# KiCad board HALTEST.kicad_pcb (continued)
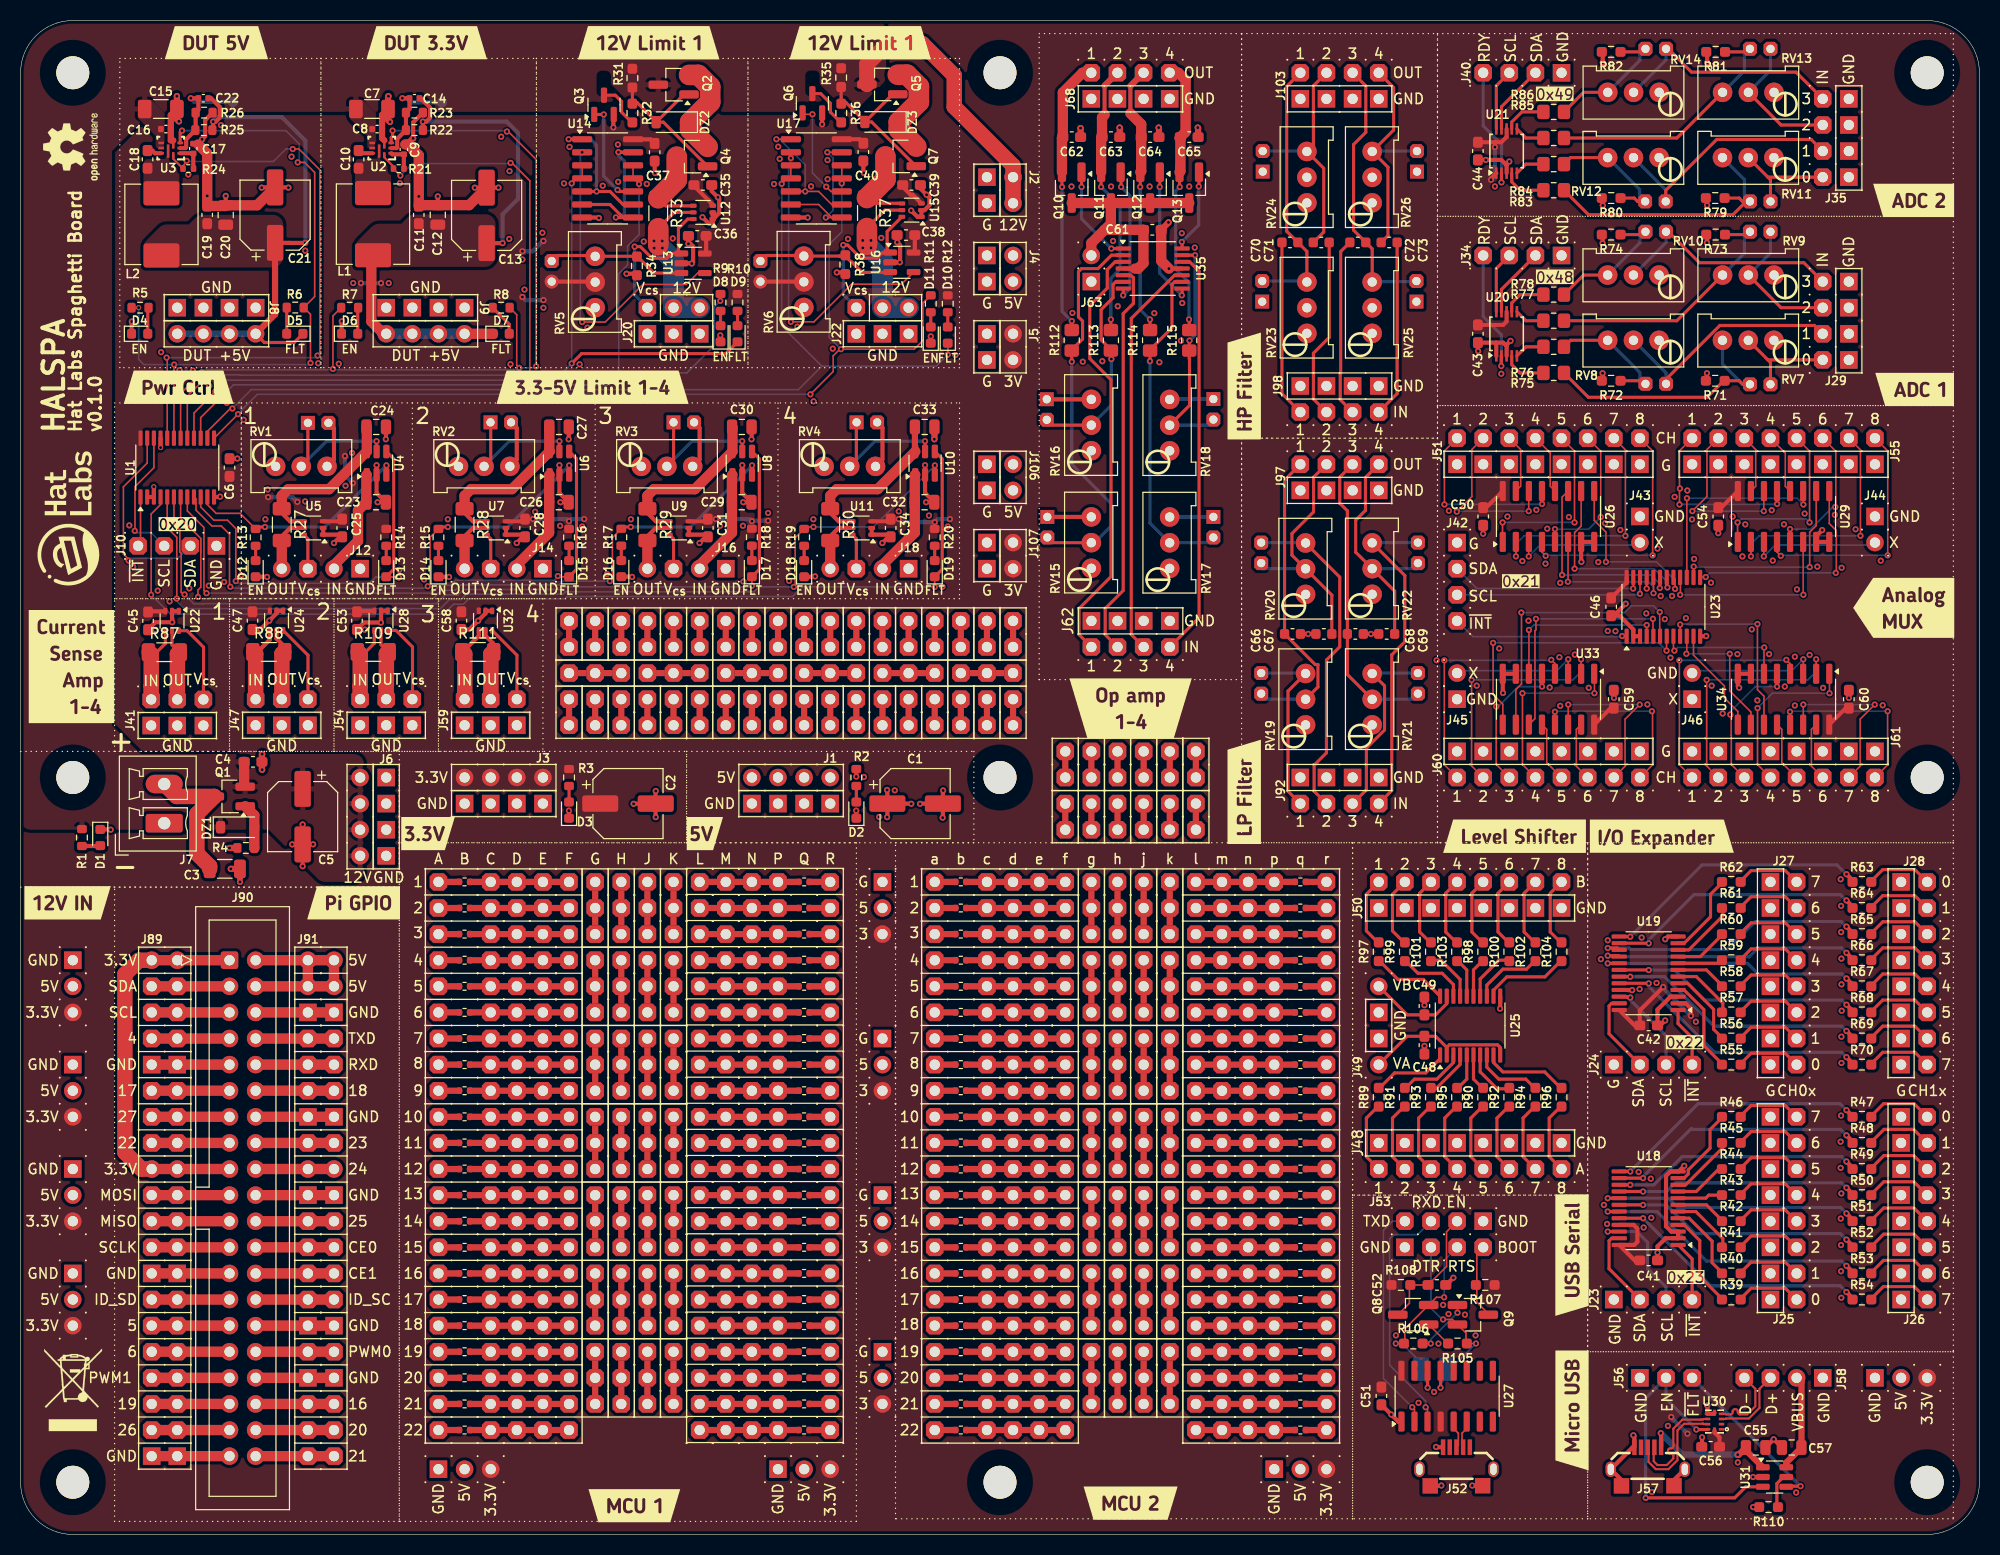
[diagram p0: board, top side]
## Library data of the parts (continued)
Q10-Q13 = -: Description: NPN transistor, base/emitter/collector; LCSC: C2150
R1 = -: LCSC: C22809; ki_fp_filters: R_*
R2 = -: LCSC: C23186; ki_fp_filters: R_*
R3 R5 R7 R9 R11 R13 R15 R17 R19 = -: LCSC: C22843; ki_fp_filters: R_*
R4 = -: Description: Resistor, small symbol; LCSC: C25803; ki_fp_filters: R_*
R6 R8 R10 R12 R14 R16 R18 R20 = -: LCSC: C22975; ki_fp_filters: R_*
R21 R24 = -: Description: Resistor; LCSC: C25741; ki_fp_filters: R_*
R22 = -: Description: Resistor; LCSC: C25803; ki_fp_filters: R_*
R23 = -: Description: Resistor; LCSC: C31850; ki_fp_filters: R_*
R25 = -: Description: Resistor; LCSC: C22961; ki_fp_filters: R_*
R26 = -: Description: Resistor; LCSC: C22984; ki_fp_filters: R_*
R27-R30 R33 R37 R87 R88 R109 R111 = -: Description: Resistor; LCSC: C105362; ki_fp_filters: R_*
R31 R35 = -: Description: Resistor, small symbol; LCSC: C4184; ki_fp_filters: R_*
R32 R36 = -: Description: Resistor, small symbol; LCSC: C23162; ki_fp_filters: R_*
R34 R38 R71-R74 R79-R82 = -: Description: Resistor; LCSC: C25804; ki_fp_filters: R_*
R39-R70 R89-R104 = -: Description: Resistor; LCSC: C21190; ki_fp_filters: R_*
R75-R78 R83-R86 = -: Description: Resistor; LCSC: C17513; ki_fp_filters: R_*
R105-R108 = -: LCSC: C25804; ki_fp_filters: R_*
R110 = -: Description: Resistor, small symbol; LCSC: C23184; ki_fp_filters: R_*
R112-R115 = -: Description: Resistor; LCSC: C17539; ki_fp_filters: R_*
R116-R203 = -: Description: Resistor, small symbol; LCSC: C11702; ki_fp_filters: R_*
RV1-RV4 RV15-RV18 = -: Description: Trim-potentiometer; THT_LCSC: C118942; ki_fp_filters: Potentiometer*
RV5-RV14 RV19-RV26 = -: Description: Trim-potentiometer; THT_LCSC: C118963; ki_fp_filters: Potentiometer*
TP1 TP2 = -: Description: test point; ki_fp_filters: Pin* Test*
U1 U18 U19 U23 = -: Datasheet: https://www.lcsc.com/datasheet/lcsc_datasheet_2410010333_UMW-Youtai-Semiconductor-Co---Ltd--TCA9535PWR-UMW_C22396388.pdf; Description: 16-bit I/O expander, I2C and SMBus interface, interrupts, w/o pull-ups, TSSOP-24 package; LCSC: C22396388; JLCPCB_CORRECTION: 0;0;270; ki_fp_filters: TSSOP*4.4x7.8mm*P0.65mm*
U2 U3 = -: Datasheet: https://www.ti.com/lit/ds/symlink/tps566238.pdf; LCSC: C2876603; ki_fp_filters: RQF0009A
U4 U6 U8 U10 U31 = -: Datasheet: https://jlcpcb.com/api/file/downloadByFileSystemAccessId/8560085854287642624; Description: 3V~5.5V 65mΩ 2.1A 1 SOT-26 Power Distribution Switches ROHS; LCSC: C1511768; JLCPCB_CORRECTION: 0;0;180
U5 U7 U9 U11 U12 U15 U22 U24 U28 U32 = -: Datasheet: http://www.ti.com/lit/ds/symlink/ina199.pdf; Description: INA199 26-V, Bidirectional, Zero-Drift, Low- or High-Side, Voltage-Output, Current-Shunt Monitor, SOT-363, SC-70; LCSC: C59135; JLCPCB_CORRECTION: 0;0;180; ki_fp_filters: *SC?70*
U13 U16 = -: Datasheet: http://www.ti.com/lit/ds/symlink/lmv324.pdf; Description: Low-Voltage Rail-to-Rail Output Operational Amplifiers, SOT-23-5/SC-70-5; LCSC: C362273; JLCPCB_CORRECTION: 0;0;180; ki_fp_filters: SOT?23* *SC*70*
U14 U17 = -: Datasheet: http://www.ti.com/lit/gpn/sn74hc02; Description: quad 2-input NOR gate; LCSC: C5145448; JLCPCB_CORRECTION: 0;0;270; ki_fp_filters: SO14* DIP*W7.62mm*
U20 U21 = -: Datasheet: http://www.ti.com/lit/ds/symlink/ads1113.pdf; Description: Ultra-Small, Low-Power, I2C-Compatible, 860-SPS, 16-Bit ADCs With Internal Reference, Oscillator, and Programmable Comparator, VSSOP-10; LCSC: C37593; JLCPCB_CORRECTION: 0;0;270; ki_fp_filters: TSSOP*3x3mm*P0.5mm*
U25 = -: Datasheet: www.ti.com/lit/ds/symlink/txs0108e.pdf; Description: Bidirectional  level-shifting voltage translator, TSSOP-20; LCSC: C17206; JLCPCB_CORRECTION: 0;0;270; ki_fp_filters: *SSOP*4.4x6.5mm*P0.65mm*
U26 U29 U33 U34 = -: Datasheet: http://www.ti.com/lit/ds/symlink/cd4052b.pdf; Description: CMOS single 8-channel analog multiplexer demultiplexer, TSSOP-16/DIP-16/SOIC-16; LCSC: C21379; JLCPCB_CORRECTION: 0;0;270; ki_fp_filters: TSSOP*4.4x5mm*P0.65mm* DIP*W7.62* SOIC*3.9x9.9mm*P1.27mm* SO*5.3x10.2mm*P1.27mm*
U27 = -: Datasheet: https://www.lcsc.com/datasheet/lcsc_datasheet_2406191656_WCH-Jiangsu-Qin-Heng-CH340C_C84681.pdf; Description: USB serial converter, crystal-less, UART, SOIC-16; LCSC: C84681; JLCPCB_CORRECTION: 0;0;270; ki_fp_filters: SOIC*3.9x9.9mm*P1.27mm*
U30 = -: LCSC: C882807
U35 = -: Datasheet: http://www.ti.com/lit/ds/symlink/lm358.pdf; Description: Dual Operational Amplifiers, DIP-8/SOIC-8/TSSOP-8/VSSOP-8; LCSC: C468244; JLCPCB_CORRECTION: 0;0;270; ki_fp_filters: SOIC*3.9x4.9mm*P1.27mm* DIP*W7.62mm* TO*99* OnSemi*Micro8* TSSOP*3x3mm*P0.65mm* TSSOP*4.4x3mm*P0.65mm* MSOP*3x3mm*P0.65mm* SSOP*3.9x4.9mm*P0.635mm* LFCSP*2x2mm*P0.5mm* *SIP* SOIC*5.3x6.2mm*P1.27mm*

## Footprints (pads in the part's own frame, mm; a bottom-side part is the same pattern mirrored in y, then rotated)
C_0402_1005Metric
  rrect 0.56x0.62 smd: 1(-0.48,0) 2(0.48,0)
C_0603_1608Metric
  rrect 0.9x0.95 smd: 1(-0.775,0) 2(0.775,0)
C_0603_1608Metric_Pad1.08x0.95mm_HandSolder
  rrect 1.075x0.95 smd: 1(-0.863,0) 2(0.863,0)
C_0805_2012Metric
  rrect 1x1.45 smd: 1(-0.95,0) 2(0.95,0)
C_1206_3216Metric
  rrect 1.15x1.8 smd: 1(-1.475,0) 2(1.475,0)
C_1206_3216Metric_Pad1.33x1.80mm_HandSolder
  rrect 1.325x1.8 smd: 1(-1.562,0) 2(1.562,0)
CP_Elec_6.3x7.7
  rrect 3.5x1.6 smd: 1(-2.7,0) 2(2.7,0)
D_SOD-123
  rrect 0.9x1.2 smd: 1(-1.65,0) 2(1.65,0)
IDC-Header_2x20_P2.54mm_Vertical
  rrect 1.7x1.7 hole 1: 1(0,0)
  round 1.7 hole 1: 2(2.54,0) 3(0,-2.54) 4(2.54,-2.54) 5(0,-5.08) 6(2.54,-5.08) 7(0,-7.62) 8(2.54,-7.62) 9(0,-10.16) 10(2.54,-10.16) 11(0,-12.7) 12(2.54,-12.7) 13(0,-15.24) 14(2.54,-15.24) 15(0,-17.78) 16(2.54,-17.78) 17(0,-20.32) 18(2.54,-20.32) 19(0,-22.86) 20(2.54,-22.86) 21(0,-25.4) 22(2.54,-25.4) 23(0,-27.94) 24(2.54,-27.94) 25(0,-30.48) 26(2.54,-30.48) 27(0,-33.02) 28(2.54,-33.02) 29(0,-35.56) 30(2.54,-35.56) 31(0,-38.1) 32(2.54,-38.1) 33(0,-40.64) 34(2.54,-40.64) 35(0,-43.18) 36(2.54,-43.18) 37(0,-45.72) 38(2.54,-45.72) 39(0,-48.26) 40(2.54,-48.26)
L_Chilisin_BMRx00060630
  rrect 2.35x3.5 smd: 1(-3.025,0) 2(3.025,0)
LED_0603_1608Metric
  rrect 0.875x0.95 smd: 1(-0.787,0) 2(0.787,0)
MICRO-USB-SMD_MICRO-21-P2-T3
  rect 0.43x1.51 smd: 1(-1.3,-1.88) 2(-0.65,-1.88) 3(0,-1.88) 4(0.65,-1.88) 5(1.3,-1.88)
  oval 1x1.5 hole 0.61x1.1: 6(-3.6,0.26) 6(3.6,0.26)
  rect 1.5x1.5 smd: 6(-2.55,1.87) 6(2.55,1.88)
MountingHole_3.2mm_M3_NoFill
  round 3.2 hole 3.2 unplated: (0,0)
Pad_1x02_P2.00_1.35x1.35_Oct
  rrect 1.35x1.35 hole 0.8: 1(0,0) 2(0,-2)
Pad_1x02_P2.00_1.35x1.35_Rect-Oct
  rect 1.35x1.35 hole 0.8: 1(0,0)
  rrect 1.35x1.35 hole 0.8: 2(0,-2)
Pad_1x02_P2.00_1.35x1.35_Rnd-Oct
  round 1.35 hole 0.8: 1(0,0)
  rrect 1.35x1.35 hole 0.8: 2(0,-2)
Pad_1x02_P2.54_1.7x1.7_Oct_Connected
  rrect 1.7x1.7 hole 1: 1(0,0) 1(0,-2.54)
  rect 0.6x1 smd: 1(0,-1.27)
Pad_1x02_P2.54_1.7x1.7_Rect-Rnd
  rect 1.7x1.7 hole 1: 1(0,0)
  round 1.7 hole 1: 2(0,-2.54)
Pad_1x03_P2.54_1.7x1.7_Oct_Connected
  rrect 1.7x1.7 hole 1: 1(0,0) 1(0,-2.54) 1(0,-5.08)
  rect 0.6x0.85 smd: 1(0,-1.27) 1(0,-3.8)
Pad_1x03_P2.54_1.7x1.7_Rect-2Oct
  rect 1.7x1.7 hole 1: 1(0,0)
  rrect 1.7x1.7 hole 1: 2(0,-2.54) 3(0,-5.08)
Pad_1x03_P2.54_1.7x1.7_Rect-2Rnd
  rect 1.7x1.7 hole 1: 1(0,0)
  round 1.7 hole 1: 2(0,-2.54) 3(0,-5.08)
Pad_1x04_P2.54_1.7x1.7_Rect-Oct
  rect 1.7x1.7 hole 1: 1(0,0)
  rrect 1.7x1.7 hole 1: 2(0,-2.54) 3(0,-5.08) 4(0,-7.62)
Pad_1x04_P2.54_1.7x1.7_Rect-Rnd-Oct-Oct
  rect 1.7x1.7 hole 1: 1(0,0)
  round 1.7 hole 1: 2(0,-2.54)
  rrect 1.7x1.7 hole 1: 3(0,-5.08) 4(0,-7.62)
Pad_1x04_P2.54_1.7x1.7_Rect-Rnd-Oct-Rnd
  rect 1.7x1.7 hole 1: 1(0,0)
  round 1.7 hole 1: 2(0,-2.54) 4(0,-7.62)
  rrect 1.7x1.7 hole 1: 3(0,-5.08)
Pad_1x04_P2.54_1.7x1.7_Rect-Rnd-Rnd-Rect
  round 1.7 hole 1: 1(0,0) 4(0,-7.62)
  rect 1.7x1.7 hole 1: 2(0,-2.54) 3(0,-5.08)
Pad_1x22_P2.54_1.7x1.7_Oct
  rrect 1.7x1.7 hole 1: 1(0,0) 2(0,-2.54) 3(0,-5.08) 4(0,-7.62) 5(0,-10.16) 6(0,-12.7) 7(0,-15.24) 8(0,-17.78) 9(0,-20.32) 10(0,-22.86) 11(0,-25.4) 12(0,-27.94) 13(0,-30.48) 14(0,-33.02) 15(0,-35.56) 16(0,-38.1) 17(0,-40.64) 18(0,-43.18) 19(0,-45.72) 20(0,-48.26) 21(0,-50.8) 22(0,-53.34)
Pad_2x02_P2.54_1.7x1.7_Rect-Rnd
  rect 1.7x1.7 hole 1: 1(0,0) 3(0,-2.54)
  round 1.7 hole 1: 2(2.54,0) 4(2.54,-2.54)
Pad_2x03_P2.54_1.7x1.7_Rect-1Oct-2Rnd
  rect 1.7x1.7 hole 1: 1(0,0) 3(0,-2.54) 5(0,-5.08)
  rrect 1.7x1.7 hole 1: 2(2.54,0)
  round 1.7 hole 1: 4(2.54,-2.54) 6(2.54,-5.08)
Pad_2x03_P2.54_1.7x1.7_Rect-Oct
  rect 1.7x1.7 hole 1: 1(0,0) 3(0,-2.54) 5(0,-5.08)
  rrect 1.7x1.7 hole 1: 2(2.54,0) 4(2.54,-2.54) 6(2.54,-5.08)
Pad_2x04_P2.54_1.7x1.7_Rect-Oct
  rect 1.7x1.7 hole 1: 1(0,0) 3(0,-2.54) 5(0,-5.08) 7(0,-7.62)
  rrect 1.7x1.7 hole 1: 2(2.54,0) 4(2.54,-2.54) 6(2.54,-5.08) 8(2.54,-7.62)
Pad_2x04_P2.54_1.7x1.7_Rect-Oct-Rect
  rect 1.7x1.7 hole 1: 1(0,0) 8(2.54,-7.62)
  rrect 1.7x1.7 hole 1: 2(2.54,0) 3(0,-2.54) 4(2.54,-2.54) 5(0,-5.08) 6(2.54,-5.08) 7(0,-7.62)
Pad_2x04_P2.54_1.7x1.7_Rect-Rnd
  rect 1.7x1.7 hole 1: 1(0,0) 3(0,-2.54) 5(0,-5.08) 7(0,-7.62)
  round 1.7 hole 1: 2(2.54,0) 4(2.54,-2.54) 6(2.54,-5.08) 8(2.54,-7.62)
Pad_2x08_P2.54_1.7x1.7_Rect-Oct
  rect 1.7x1.7 hole 1: 1(0,0) 3(0,-2.54) 5(0,-5.08) 7(0,-7.62) 9(0,-10.16) 11(0,-12.7) 13(0,-15.24) 15(0,-17.78)
  rrect 1.7x1.7 hole 1: 2(2.54,0) 4(2.54,-2.54) 6(2.54,-5.08) 8(2.54,-7.62) 10(2.54,-10.16) 12(2.54,-12.7) 14(2.54,-15.24) 16(2.54,-17.78)
Pad_2x20_P2.54_1.7x1.7_RPi_GPIO_Even
  round 1.7 hole 1: 2(0,0) 2(2.54,0) 4(0,-2.54) 4(2.54,-2.54) 18(0,-20.32) 18(2.54,-20.32)
  rect 1.7x1.7 hole 1: 6(0,-5.08) 6(2.54,-5.08) 14(0,-15.24) 14(2.54,-15.24) 20(0,-22.86) 20(2.54,-22.86) 30(0,-35.56) 30(2.54,-35.56) 34(0,-40.64) 34(2.54,-40.64)
  rrect 1.7x1.7 hole 1: 8(0,-7.62) 8(2.54,-7.62) 10(0,-10.16) 10(2.54,-10.16) 12(0,-12.7) 12(2.54,-12.7) 16(0,-17.78) 16(2.54,-17.78) 22(0,-25.4) 22(2.54,-25.4) 24(0,-27.94) 24(2.54,-27.94) 26(0,-30.48) 26(2.54,-30.48) 28(0,-33.02) 28(2.54,-33.02) 32(0,-38.1) 32(2.54,-38.1) 36(0,-43.18) 36(2.54,-43.18) 38(0,-45.72) 38(2.54,-45.72) 40(0,-48.26) 40(2.54,-48.26)
Pad_2x20_P2.54_1.7x1.7_RPi_GPIO_Odd
  round 1.7 hole 1: 1(0,0) 1(2.49,0) 17(0,-20.32) 17(2.49,-20.32)
  rrect 1.7x1.7 hole 1: 3(0,-2.54) 3(2.49,-2.54) 5(0,-5.08) 5(2.49,-5.08) 7(0,-7.62) 7(2.49,-7.62) 11(0,-12.7) 11(2.49,-12.7) 13(0,-15.24) 13(2.49,-15.24) 15(0,-17.78) 15(2.49,-17.78) 19(0,-22.86) 19(2.49,-22.86) 21(0,-25.4) 21(2.49,-25.4) 23(0,-27.94) 23(2.49,-27.94) 27(0,-33.02) 27(2.49,-33.02) 29(0,-35.56) 29(2.49,-35.56) 31(0,-38.1) 31(2.49,-38.1) 33(0,-40.64) 33(2.49,-40.64) 35(0,-43.18) 35(2.49,-43.18) 37(0,-45.72) 37(2.49,-45.72)
  rect 1.7x1.7 hole 1: 9(0,-10.16) 9(2.49,-10.16) 25(0,-30.48) 25(2.49,-30.48) 39(0,-48.26) 39(2.49,-48.26)
PhoenixContact_MCV_1,5_2-G-3.81_1x02_P3.81mm_Vertical
  rrect 1.8x3.6 hole 1.2: 1(0,0)
  oval 1.8x3.6 hole 1.2: 2(3.81,0)
R_0402_1005Metric
  rrect 0.54x0.64 smd: 1(-0.51,0) 2(0.51,0)
R_0603_1608Metric
  rrect 0.8x0.95 smd: 1(-0.825,0) 2(0.825,0)
R_0603_1608Metric_Pad0.98x0.95mm_HandSolder
  rrect 0.975x0.95 smd: 1(-0.912,0) 2(0.912,0)
R_0805_2012Metric_Pad1.20x1.40mm_HandSolder
  rrect 1.2x1.4 smd: 1(-1,0) 2(1,0)
R_1206_3216Metric_Pad1.30x1.75mm_HandSolder
  rrect 1.3x1.75 smd: 1(-1.55,0) 2(1.55,0)
RES-ADJ-TH_3P-L9.5-W4.9-P2.50-L_3296W
  round 1.9 hole 0.9: 1(-2.5,0) 2(-0.01,0) 3(2.5,0)
RQF0009A
  rect 0.55x0.25 smd: 1(-0.925,0.5) 2(-0.925,0) 3(-0.925,-0.5) 5(0.925,-0.5) 6(0.925,0) 7(0.925,0.5)
  rect 0.25x1 smd: 4(-0.25,-0.45)
  rect 0.25x1.3 smd: 8(0.25,0.3)
  rect 0.25x0.55 smd: 9(-0.25,0.675)
SOIC-14_3.9x8.7mm_P1.27mm
  rrect 1.95x0.6 smd: 1(-2.475,3.81) 2(-2.475,2.54) 3(-2.475,1.27) 4(-2.475,0) 5(-2.475,-1.27) 6(-2.475,-2.54) 7(-2.475,-3.81) 8(2.475,-3.81) 9(2.475,-2.54) 10(2.475,-1.27) 11(2.475,0) 12(2.475,1.27) 13(2.475,2.54) 14(2.475,3.81)
SOIC-16_3.9x9.9mm_P1.27mm
  rrect 1.95x0.6 smd: 1(-2.475,4.445) 2(-2.475,3.175) 3(-2.475,1.905) 4(-2.475,0.635) 5(-2.475,-0.635) 6(-2.475,-1.905) 7(-2.475,-3.175) 8(-2.475,-4.445) 9(2.475,-4.445) 10(2.475,-3.175) 11(2.475,-1.905) 12(2.475,-0.635) 13(2.475,0.635) 14(2.475,1.905) 15(2.475,3.175) 16(2.475,4.445)
SolderJumper-2_P1.3mm_Bridged_Pad1.0x1.5mm
  rect 1x1.5 smd: 1(-0.65,0) 2(0.65,0)
SOT-23
  rrect 1.475x0.6 smd: 1(-0.938,0.95) 2(-0.938,-0.95) 3(0.938,0)
SOT-23-5
  rrect 1.325x0.6 smd: 1(-1.137,0.95) 2(-1.137,0) 3(-1.137,-0.95) 4(1.137,-0.95) 5(1.137,0.95)
SOT-23-6
  rrect 1.325x0.6 smd: 1(-1.137,0.95) 2(-1.137,0) 3(-1.137,-0.95) 4(1.137,-0.95) 5(1.137,0) 6(1.137,0.95)
SOT-23_Handsoldering
  rrect 1.9x0.8 smd: 1(-1.5,0.95) 2(-1.5,-0.95) 3(1.5,0)
SOT-363_SC-70-6
  rrect 0.65x0.4 smd: 1(-0.95,0.65) 2(-0.95,0) 3(-0.95,-0.65) 4(0.95,-0.65) 5(0.95,0) 6(0.95,0.65)
TestPoint_Pad_D1.0mm
  round 1 smd: 1(0,0)
TSSOP-10_3x3mm_P0.5mm
  rect 1.1x0.25 smd: 1(-2.15,1) 2(-2.15,0.5) 3(-2.15,0) 4(-2.15,-0.5) 5(-2.15,-1) 6(2.15,-1) 7(2.15,-0.5) 8(2.15,0) 9(2.15,0.5) 10(2.15,1)
TSSOP-14_4.4x5mm_P0.65mm
  rrect 1.475x0.4 smd: 1(-2.862,1.95) 2(-2.862,1.3) 3(-2.862,0.65) 4(-2.862,0) 5(-2.862,-0.65) 6(-2.862,-1.3) 7(-2.862,-1.95) 8(2.862,-1.95) 9(2.862,-1.3) 10(2.862,-0.65) 11(2.862,0) 12(2.862,0.65) 13(2.862,1.3) 14(2.862,1.95)
TSSOP-20_4.4x6.5mm_P0.65mm
  rrect 1.475x0.4 smd: 1(-2.862,2.925) 2(-2.862,2.275) 3(-2.862,1.625) 4(-2.862,0.975) 5(-2.862,0.325) 6(-2.862,-0.325) 7(-2.862,-0.975) 8(-2.862,-1.625) 9(-2.862,-2.275) 10(-2.862,-2.925) 11(2.862,-2.925) 12(2.862,-2.275) 13(2.862,-1.625) 14(2.862,-0.975) 15(2.862,-0.325) 16(2.862,0.325) 17(2.862,0.975) 18(2.862,1.625) 19(2.862,2.275) 20(2.862,2.925)
TSSOP-24_4.4x7.8mm_P0.65mm
  rrect 1.475x0.4 smd: 1(-2.862,3.575) 2(-2.862,2.925) 3(-2.862,2.275) 4(-2.862,1.625) 5(-2.862,0.975) 6(-2.862,0.325) 7(-2.862,-0.325) 8(-2.862,-0.975) 9(-2.862,-1.625) 10(-2.862,-2.275) 11(-2.862,-2.925) 12(-2.862,-3.575) 13(2.862,-3.575) 14(2.862,-2.925) 15(2.862,-2.275) 16(2.862,-1.625) 17(2.862,-0.975) 18(2.862,-0.325) 19(2.862,0.325) 20(2.862,0.975) 21(2.862,1.625) 22(2.862,2.275) 23(2.862,2.925) 24(2.862,3.575)
UQFN-10_L2.0-W1.5-P0.50-BL
  rect 0.25x0.52 smd: 1(-0.75,-0.68) 2(-0.25,-0.68) 3(0.25,-0.68) 4(0.75,-0.68) 6(0.75,0.68) 7(0.25,0.68) 8(-0.25,0.68) 9(-0.75,0.68)
  rect 0.58x0.3 smd: 5(0.86,0) 10(-0.86,0)

## Nets
+3.3V: C2.1 C6.1 C25.1 C28.1 C31.1 C34.1 C35.1 C36.1 C37.1 C38.1 C39.1 C40.1 C41.1 C42.1 C43.1 C44.1 C45.2 C46.1 C47.2 C50.1 C51.1 C53.2 C54.1 C56.2 C58.2 C59.1 C60.1 J3.2 J3.4 J3.6 J3.8 J5.2 J5.4 J19.1 J21.1 J107.2 J107.4 R3.1 R10.1 R12.1 R14.1 R16.1 R18.1 R20.1 R107.1 R108.1 REF**.3 REF**#9.3 REF**#10.3 REF**#12.3 REF**#24.3 REF**#51.3 REF**#82.3 REF**#85.3 REF**#86.3 REF**#107.3 REF**#120.3 REF**#122.3 RV5.2 RV6.2 U1.24 U5.3 U7.3 U9.3 U11.3 U12.3 U13.5 U14.14 U15.3 U16.5 U17.14 U18.2 U18.21 U18.24 U19.2 U19.24 U20.8 U21.1 U21.8 U22.3 U23.21 U23.24 U24.3 U26.16 U27.4 U27.16 U28.3 U29.16 U30.10 U32.3 U33.16 U34.16
+3.3VD: C11.1 C12.1 C13.1 C14.1 D7.1 J9.2 J9.4 J9.6 J9.8 L1.2 R22.1
+5V: C1.1 J1.2 J1.4 J1.6 J1.8 J4.2 J4.4 J106.2 J106.4 R2.1 REF**.2 REF**#9.2 REF**#10.2 REF**#12.2 REF**#24.2 REF**#51.2 REF**#82.2 REF**#85.2 REF**#86.2 REF**#107.2 REF**#120.2 REF**#122.2
+5VD: C19.1 C20.1 C21.1 C22.1 D5.1 J8.2 J8.4 J8.6 J8.8 L2.2 R25.1
+12V: C4.1 C5.1 C7.1 C8.1 C15.1 C16.1 DZ1.1 J2.2 J2.4 J6.2 J6.4 J6.6 J6.8 Q1.2 Q2.3 Q5.3 R1.1 R31.1 R35.1 U2.5 U2.6 U3.5 U3.6
/Current Sense/INA199 1/V1: J41.6 U22.6
/Current Sense/INA199 2/V1: J47.6 U24.6
/Current Sense/INA199 3/V1: J54.6 U28.6
/Current Sense/INA199 4/V1: J59.6 U32.6
/DUT Power/Buck 3.3V/VCC: C9.1 R21.2 U2.1
/DUT Power/Buck 5V/VCC: C17.1 R24.2 U3.1
/DUT Power/Curlim 1/Vin: C23.1 J12.2 U4.1
/DUT Power/Curlim 2/Vin: C26.1 J14.2 U6.1
/DUT Power/Curlim 3/Vin: C29.1 J16.2 U8.1
/DUT Power/Curlim 4/Vin: C32.1 J18.2 U10.1
/DUT Power/Curlim 12V 1/+12Vs: Q4.3 R33.1 U12.4
/DUT Power/Curlim 12V 2/+12Vs: Q7.3 R37.1 U15.4
/DUT Power/Vin: C3.1 J7.2 Q1.3
/Level Shifting/VCCA: C48.2 J49.1 U25.2 U25.10
/Level Shifting/VCCB: C49.1 J49.4 U25.19
/Opamp/VCC: C61.2 J63.2 Q10.3 Q11.3 Q12.3 Q13.3 U35.4
/USB connector/VBUS: C55.1 J57.1 U31.1
/USB connector/VBUSOUT: C57.1 J58.2 U31.6
GND: C1.2 C2.2 C3.2 C4.2 C5.2 C6.2 C7.2 C8.2 C9.2 C11.2 C12.2 C13.2 C15.2 C16.2 C17.2 C19.2 C20.2 C21.2 C23.2 C24.2 C25.2 C26.2 C27.2 C28.2 C29.2 C30.2 C31.2 C32.2 C33.2 C34.2 C35.2 C36.2 C37.2 C38.2 C39.2 C40.2 C41.2 C42.2 C43.2 C44.2 C45.1 C46.2 C47.1 C48.1 C49.2 C50.2 C51.2 C52.2 C53.1 C54.2 C55.2 C56.1 C57.2 C58.1 C59.2 C60.2 C61.1 C62.1 C63.1 C64.1 C65.1 C66.2 C67.2 C68.2 C69.2 D1.1 D2.1 D3.1 D4.1 D6.1 D8.1 D10.1 D12.1 D14.1 D16.1 D18.1 J1.1 J1.3 J1.5 J1.7 J2.1 J2.3 J3.1 J3.3 J3.5 J3.7 J4.1 J4.3 J5.1 J5.3 J6.1 J6.3 J6.5 J6.7 J7.1 J8.1 J8.3 J8.5 J8.7 J9.1 J9.3 J9.5 J9.7 J10.1 J11.2 J12.1 J13.2 J14.1 J15.2 J16.1 J17.2 J18.1 J20.1 J20.3 J20.5 J22.1 J22.3 J22.5 J23.1 J24.1 J25.1 J25.3 J25.5 J25.7 J25.9 J25.11 J25.13 J25.15 J26.1 J26.3 J26.5 J26.7 J26.9 J26.11 J26.13 J26.15 J27.1 J27.3 J27.5 J27.7 J27.9 J27.11 J27.13 J27.15 J28.1 J28.3 J28.5 J28.7 J28.9 J28.11 J28.13 J28.15 J29.1 J29.3 J29.5 J29.7 J34.1 J35.1 J35.3 J35.5 J35.7 J40.1 J41.1 J41.3 J41.5 J42.1 J43.1 J44.1 J45.1 J46.1 J47.1 J47.3 J47.5 J48.1 J48.3 J48.5 J48.7 J48.9 J48.11 J48.13 J48.15 J49.2 J49.3 J50.1 J50.3 J50.5 J50.7 J50.9 J50.11 J50.13 J50.15 J51.1 J51.3 J51.5 J51.7 J51.9 J51.11 J51.13 J51.15 J52.5 J52.6 J53.1 J53.8 J54.1 J54.3 J54.5 J55.1 J55.3 J55.5 J55.7 J55.9 J55.11 J55.13 J55.15 J56.1 J57.5 J57.6 J58.1 J59.1 J59.3 J59.5 J60.1 J60.3 J60.5 J60.7 J60.9 J60.11 J60.13 J60.15 J61.1 J61.3 J61.5 J61.7 J61.9 J61.11 J61.13 J61.15 J62.1 J62.3 J62.5 J62.7 J63.1 J64.1 J65.1 J66.1 J67.1 J68.1 J68.3 J68.5 J68.7 J89.9 J89.25 J89.39 J90.6 J90.9 J90.14 J90.20 J90.25 J90.30 J90.34 J90.39 J91.6 J91.14 J91.20 J91.30 J91.34 J92.1 J92.3 J92.5 J92.7 J97.1 J97.3 J97.5 J97.7 J98.1 J98.3 J98.5 J98.7 J99.1 J100.1 J101.1 J102.1 J103.1 J103.3 J103.5 J103.7 J106.1 J106.3 J107.1 J107.3 Q3.2 Q6.2 R4.2 R23.2 R26.2 R34.2 R38.2 R71.2 R72.2 R73.2 R74.2 R79.2 R80.2 R81.2 R82.2 R110.2 REF**.1 REF**#9.1 REF**#10.1 REF**#12.1 REF**#24.1 REF**#51.1 REF**#82.1 REF**#85.1 REF**#86.1 REF**#107.1 REF**#120.1 REF**#122.1 RV1.3 RV2.3 RV3.3 RV4.3 RV15.3 RV16.3 RV17.3 RV18.3 RV23.2 RV24.2 RV25.2 RV26.2 U1.2 U1.3 U1.12 U1.21 U2.4 U3.4 U4.2 U5.1 U5.2 U6.2 U7.1 U7.2 U8.2 U9.1 U9.2 U10.2 U11.1 U11.2 U12.1 U12.2 U13.2 U14.7 U15.1 U15.2 U16.2 U17.7 U18.3 U18.12 U19.3 U19.12 U19.21 U20.1 U20.3 U21.3 U22.1 U22.2 U23.2 U23.3 U23.12 U24.1 U24.2 U25.11 U26.7 U26.8 U27.1 U28.1 U28.2 U29.7 U29.8 U30.5 U30.6 U31.2 U32.1 U32.2 U33.7 U33.8 U34.7 U34.8 U35.11
/ADC/ADS1115 1/AIN0: R75.1 U20.4
/ADC/ADS1115 1/AIN1: R76.1 U20.5
/ADC/ADS1115 1/AIN2: R77.1 U20.6
/ADC/ADS1115 1/AIN3: R78.1 U20.7
/ADC/ADS1115 1/AINc0: J29.2 J30.1 RV7.2
/ADC/ADS1115 1/AINc1: J29.4 J31.1 RV8.2
/ADC/ADS1115 1/AINc2: J29.6 J32.1 RV9.2
/ADC/ADS1115 1/AINc3: J29.8 J33.1 RV10.2
/ADC/ADS1115 1/AINr0: J30.2 R71.1 R75.2 RV7.3
/ADC/ADS1115 1/AINr1: J31.2 R72.1 R76.2 RV8.3
/ADC/ADS1115 1/AINr2: J32.2 R73.1 R77.2 RV9.3
/ADC/ADS1115 1/AINr3: J33.2 R74.1 R78.2 RV10.3
/ADC/ADS1115 1/ALERT/RDY: J34.4 U20.2
/ADC/ADS1115 1/SCL: J34.3 U20.10
/ADC/ADS1115 1/SDA: J34.2 U20.9
/ADC/ADS1115 2/AIN0: R83.1 U21.4
/ADC/ADS1115 2/AIN1: R84.1 U21.5
/ADC/ADS1115 2/AIN2: R85.1 U21.6
/ADC/ADS1115 2/AIN3: R86.1 U21.7
/ADC/ADS1115 2/AINc0: J35.2 J36.1 RV11.2
/ADC/ADS1115 2/AINc1: J35.4 J37.1 RV12.2
/ADC/ADS1115 2/AINc2: J35.6 J38.1 RV13.2
/ADC/ADS1115 2/AINc3: J35.8 J39.1 RV14.2
/ADC/ADS1115 2/AINr0: J36.2 R79.1 R83.2 RV11.3
/ADC/ADS1115 2/AINr1: J37.2 R80.1 R84.2 RV12.3
/ADC/ADS1115 2/AINr2: J38.2 R81.1 R85.2 RV13.3
/ADC/ADS1115 2/AINr3: J39.2 R82.1 R86.2 RV14.3
/ADC/ADS1115 2/ALERT/RDY: J40.4 U21.2
/ADC/ADS1115 2/SCL: J40.3 U21.10
/ADC/ADS1115 2/SDA: J40.2 U21.9
/Analog IO/A1: U23.19 U26.11
/Analog IO/A2: U23.15 U29.11
/Analog IO/A3: U23.5 U33.11
/Analog IO/A4: U23.9 U34.11
/Analog IO/Analog MUX 1/X: J43.2 U26.3
/Analog IO/Analog MUX 1/X0: J51.2 U26.13
/Analog IO/Analog MUX 1/X1: J51.4 U26.14
/Analog IO/Analog MUX 1/X2: J51.6 U26.15
/Analog IO/Analog MUX 1/X3: J51.8 U26.12
/Analog IO/Analog MUX 1/X4: J51.10 U26.1
/Analog IO/Analog MUX 1/X5: J51.12 U26.5
/Analog IO/Analog MUX 1/X6: J51.14 U26.2
/Analog IO/Analog MUX 1/X7: J51.16 U26.4
/Analog IO/Analog MUX 2/X: J44.2 U29.3
/Analog IO/Analog MUX 2/X0: J55.2 U29.13
/Analog IO/Analog MUX 2/X1: J55.4 U29.14
/Analog IO/Analog MUX 2/X2: J55.6 U29.15
/Analog IO/Analog MUX 2/X3: J55.8 U29.12
/Analog IO/Analog MUX 2/X4: J55.10 U29.1
/Analog IO/Analog MUX 2/X5: J55.12 U29.5
/Analog IO/Analog MUX 2/X6: J55.14 U29.2
/Analog IO/Analog MUX 2/X7: J55.16 U29.4
/Analog IO/Analog MUX 3/X: J45.2 U33.3
/Analog IO/Analog MUX 3/X0: J60.2 U33.13
/Analog IO/Analog MUX 3/X1: J60.4 U33.14
/Analog IO/Analog MUX 3/X2: J60.6 U33.15
/Analog IO/Analog MUX 3/X3: J60.8 U33.12
/Analog IO/Analog MUX 3/X4: J60.10 U33.1
/Analog IO/Analog MUX 3/X5: J60.12 U33.5
/Analog IO/Analog MUX 3/X6: J60.14 U33.2
/Analog IO/Analog MUX 3/X7: J60.16 U33.4
/Analog IO/Analog MUX 4/X: J46.2 U34.3
/Analog IO/Analog MUX 4/X0: J61.2 U34.13
/Analog IO/Analog MUX 4/X1: J61.4 U34.14
/Analog IO/Analog MUX 4/X2: J61.6 U34.15
/Analog IO/Analog MUX 4/X3: J61.8 U34.12
/Analog IO/Analog MUX 4/X4: J61.10 U34.1
/Analog IO/Analog MUX 4/X5: J61.12 U34.5
/Analog IO/Analog MUX 4/X6: J61.14 U34.2
/Analog IO/Analog MUX 4/X7: J61.16 U34.4
/Analog IO/B1: U23.18 U26.10
/Analog IO/B2: U23.14 U29.10
/Analog IO/B3: U23.6 U33.10
/Analog IO/B4: U23.10 U34.10
/Analog IO/C1: U23.17 U26.9
/Analog IO/C2: U23.13 U29.9
/Analog IO/C3: U23.7 U33.9
/Analog IO/C4: U23.11 U34.9
/Analog IO/INH1: U23.20 U26.6
/Analog IO/INH2: U23.16 U29.6
/Analog IO/INH3: U23.4 U33.6
/Analog IO/INH4: U23.8 U34.6
/Analog IO/SCL: J42.3 U23.22
/Analog IO/SDA: J42.2 U23.23
/Analog IO/~{INT}: J42.4 U23.1
/Current Sense/INA199 1/IN1: J41.2 R87.1 U22.4
/Current Sense/INA199 1/OUT1: J41.4 R87.2 U22.5
/Current Sense/INA199 2/IN1: J47.2 R88.1 U24.4
/Current Sense/INA199 2/OUT1: J47.4 R88.2 U24.5
/Current Sense/INA199 3/IN1: J54.2 R109.1 U28.4
/Current Sense/INA199 3/OUT1: J54.4 R109.2 U28.5
/Current Sense/INA199 4/IN1: J59.2 R111.1 U32.4
/Current Sense/INA199 4/OUT1: J59.4 R111.2 U32.5
/Digital IO/P1r00: J25.16 R39.2
/Digital IO/P1r01: J25.14 R40.2
/Digital IO/P1r02: J25.12 R41.2
/Digital IO/P1r03: J25.10 R42.2
/Digital IO/P1r04: J25.8 R43.2
/Digital IO/P1r05: J25.6 R44.2
/Digital IO/P1r06: J25.4 R45.2
/Digital IO/P1r07: J25.2 R46.2
/Digital IO/P1r10: J26.16 R47.2
/Digital IO/P1r11: J26.14 R48.2
/Digital IO/P1r12: J26.12 R49.2
/Digital IO/P1r13: J26.10 R50.2
/Digital IO/P1r14: J26.8 R51.2
/Digital IO/P1r15: J26.6 R52.2
/Digital IO/P1r16: J26.4 R53.2
/Digital IO/P1r17: J26.2 R54.2
/Digital IO/P2r00: J27.16 R55.2
/Digital IO/P2r01: J27.14 R56.2
/Digital IO/P2r02: J27.12 R57.2
/Digital IO/P2r03: J27.10 R58.2
/Digital IO/P2r04: J27.8 R59.2
/Digital IO/P2r05: J27.6 R60.2
/Digital IO/P2r06: J27.4 R61.2
/Digital IO/P2r07: J27.2 R62.2
/Digital IO/P2r10: J28.16 R63.2
/Digital IO/P2r11: J28.14 R64.2
/Digital IO/P2r12: J28.12 R65.2
/Digital IO/P2r13: J28.10 R66.2
/Digital IO/P2r14: J28.8 R67.2
/Digital IO/P2r15: J28.6 R68.2
/Digital IO/P2r16: J28.4 R69.2
/Digital IO/P2r17: J28.2 R70.2
/Digital IO/P100: R39.1 U18.4
/Digital IO/P101: R40.1 U18.5
/Digital IO/P102: R41.1 U18.6
/Digital IO/P103: R42.1 U18.7
/Digital IO/P104: R43.1 U18.8
/Digital IO/P105: R44.1 U18.9
/Digital IO/P106: R45.1 U18.10
/Digital IO/P107: R46.1 U18.11
/Digital IO/P110: R47.1 U18.13
/Digital IO/P111: R48.1 U18.14
/Digital IO/P112: R49.1 U18.15
/Digital IO/P113: R50.1 U18.16
/Digital IO/P114: R51.1 U18.17
/Digital IO/P115: R52.1 U18.18
/Digital IO/P116: R53.1 U18.19
/Digital IO/P117: R54.1 U18.20
/Digital IO/P200: R55.1 U19.4
/Digital IO/P201: R56.1 U19.5
/Digital IO/P202: R57.1 U19.6
/Digital IO/P203: R58.1 U19.7
/Digital IO/P204: R59.1 U19.8
/Digital IO/P205: R60.1 U19.9
/Digital IO/P206: R61.1 U19.10
/Digital IO/P207: R62.1 U19.11
/Digital IO/P210: R63.1 U19.13
/Digital IO/P211: R64.1 U19.14
/Digital IO/P212: R65.1 U19.15
/Digital IO/P213: R66.1 U19.16
/Digital IO/P214: R67.1 U19.17
/Digital IO/P215: R68.1 U19.18
/Digital IO/P216: R69.1 U19.19
/Digital IO/P217: R70.1 U19.20
/Digital IO/SCL1: J23.3 U18.22
/Digital IO/SCL2: J24.3 U19.22
/Digital IO/SDA1: J23.2 U18.23
/Digital IO/SDA2: J24.2 U19.23
/Digital IO/~{INT1}: J23.4 U18.1
/Digital IO/~{INT2}: J24.4 U19.1
/DUT Power/Buck 3.3V/BOOT_: C10.2 U2.7
/DUT Power/Buck 3.3V/FB: C14.2 R22.2 R23.1 TP1.1 U2.2
/DUT Power/Buck 3.3V/SW: C10.1 L1.1 U2.8
/DUT Power/Buck 5V/BOOT_: C18.2 U3.7
/DUT Power/Buck 5V/FB: C22.2 R25.2 R26.1 TP2.1 U3.2
/DUT Power/Buck 5V/SW: C18.1 L2.1 U3.8
/DUT Power/Curlim 1/CLSOUT: C24.1 R27.1 U4.6 U5.4
/DUT Power/Curlim 1/ILIM: J11.1 RV1.2 U4.5
/DUT Power/Curlim 1/V_{Iin}: J12.3 U5.6
/DUT Power/Curlim 1/Vout: J12.4 R27.2 U5.5
/DUT Power/Curlim 2/CLSOUT: C27.1 R28.1 U6.6 U7.4
/DUT Power/Curlim 2/ILIM: J13.1 RV2.2 U6.5
/DUT Power/Curlim 2/V_{Iin}: J14.3 U7.6
/DUT Power/Curlim 2/Vout: J14.4 R28.2 U7.5
/DUT Power/Curlim 3/CLSOUT: C30.1 R29.1 U8.6 U9.4
/DUT Power/Curlim 3/ILIM: J15.1 RV3.2 U8.5
/DUT Power/Curlim 3/V_{Iin}: J16.3 U9.6
/DUT Power/Curlim 3/Vout: J16.4 R29.2 U9.5
/DUT Power/Curlim 4/CLSOUT: C33.1 R30.1 U10.6 U11.4
/DUT Power/Curlim 4/ILIM: J17.1 RV4.2 U10.5
/DUT Power/Curlim 4/V_{Iin}: J18.3 U11.6
/DUT Power/Curlim 4/Vout: J18.4 R30.2 U11.5
/DUT Power/Curlim 12V 1/CV-: J19.2 R34.1 RV5.3 U13.3
/DUT Power/Curlim 12V 1/ENF: Q3.1 U14.10
/DUT Power/Curlim 12V 1/FAULT: U13.4 U14.2
/DUT Power/Curlim 12V 1/G2: DZ2.2 Q2.1 Q4.1 R31.2 R32.1
/DUT Power/Curlim 12V 1/LF: U14.3 U14.4 U14.9
/DUT Power/Curlim 12V 1/PDD: Q3.3 R32.2
/DUT Power/Curlim 12V 1/S2: DZ2.1 Q2.2 Q4.2
/DUT Power/Curlim 12V 1/V_{Iin}: J20.2 U12.6 U13.1
/DUT Power/Curlim 12V 1/Vout: J20.4 J20.6 R33.2 U12.5
/DUT Power/Curlim 12V 1/~{EN}: U14.6 U14.8 U14.13
/DUT Power/Curlim 12V 2/CV-: J21.2 R38.1 RV6.3 U16.3
/DUT Power/Curlim 12V 2/ENF: Q6.1 U17.10
/DUT Power/Curlim 12V 2/FAULT: U16.4 U17.2
/DUT Power/Curlim 12V 2/G2: DZ3.2 Q5.1 Q7.1 R35.2 R36.1
/DUT Power/Curlim 12V 2/LF: U17.3 U17.4 U17.9
/DUT Power/Curlim 12V 2/PDD: Q6.3 R36.2
/DUT Power/Curlim 12V 2/S2: DZ3.1 Q5.2 Q7.2
/DUT Power/Curlim 12V 2/V_{Iin}: J22.2 U15.6 U16.1
/DUT Power/Curlim 12V 2/Vout: J22.4 J22.6 R37.2 U15.5
/DUT Power/Curlim 12V 2/~{EN}: U17.6 U17.8 U17.13
/DUT Power/EN_3V3D: R7.1 R8.1 U1.18 U2.3
/DUT Power/EN_5VD: R5.1 R6.1 U1.19 U3.3
/DUT Power/EN_12V_1: R9.1 U1.15 U14.11 U14.12
/DUT Power/EN_12V_2: R11.1 U1.13 U17.11 U17.12
/DUT Power/EN_LIM_1: R13.1 U1.11 U4.3
/DUT Power/EN_LIM_2: R15.1 U1.9 U6.3
/DUT Power/EN_LIM_3: R17.1 U1.7 U8.3
/DUT Power/EN_LIM_4: R19.1 U1.5 U10.3
/DUT Power/G2: DZ1.2 Q1.1 R4.1
/DUT Power/PG_3V3: R21.1 U1.17 U2.9
/DUT Power/PG_5V: R24.1 U1.20 U3.9
/DUT Power/SCL: J10.3 U1.22
/DUT Power/SDA: J10.2 U1.23
/DUT Power/~{FAULT_12V_1}: D9.1 U1.16 U14.1 U14.5
/DUT Power/~{FAULT_12V_2}: D11.1 U1.14 U17.1 U17.5
/DUT Power/~{FAULT_LIM_1}: D13.1 U1.10 U4.4
/DUT Power/~{FAULT_LIM_2}: D15.1 U1.8 U6.4
/DUT Power/~{FAULT_LIM_3}: D17.1 U1.6 U8.4
/DUT Power/~{FAULT_LIM_4}: D19.1 U1.4 U10.4
/DUT Power/~{INT}: J10.4 U1.1
/Filters/HPIN1: C70.1 J98.2
/Filters/HPIN2: C71.1 J98.4
/Filters/HPIN3: C72.1 J98.6
/Filters/HPIN4: C73.1 J98.8
/Filters/HPOUT1: C70.2 J99.2 J103.2 RV23.3
/Filters/HPOUT2: C71.2 J100.2 J103.4 RV24.3
/Filters/HPOUT3: C72.2 J101.2 J103.6 RV25.3
/Filters/HPOUT4: C73.2 J102.2 J103.8 RV26.3
/Filters/LPIN1: J92.2 J93.1 RV19.3
/Filters/LPIN2: J92.4 J94.1 RV20.3
/Filters/LPIN3: J92.6 J95.1 RV21.3
/Filters/LPIN4: J92.8 J96.1 RV22.3
/Filters/LPOUT1: C66.1 J93.2 J97.2 RV19.2
/Filters/LPOUT2: C67.1 J94.2 J97.4 RV20.2
/Filters/LPOUT3: C68.1 J95.2 J97.6 RV21.2
/Filters/LPOUT4: C69.1 J96.2 J97.8 RV22.2
/Level Shifting/A1: R89.2 U25.1
/Level Shifting/A2: R91.2 U25.3
/Level Shifting/A3: R93.2 U25.4
/Level Shifting/A4: R95.2 U25.5
/Level Shifting/A5: R90.2 U25.6
/Level Shifting/A6: R92.2 U25.7
/Level Shifting/A7: R94.2 U25.8
/Level Shifting/A8: R96.2 U25.9
/Level Shifting/Ac1: J48.2 R89.1